# Altium PCB PCBV2.PcbDoc (part 1 of 2) (continued)
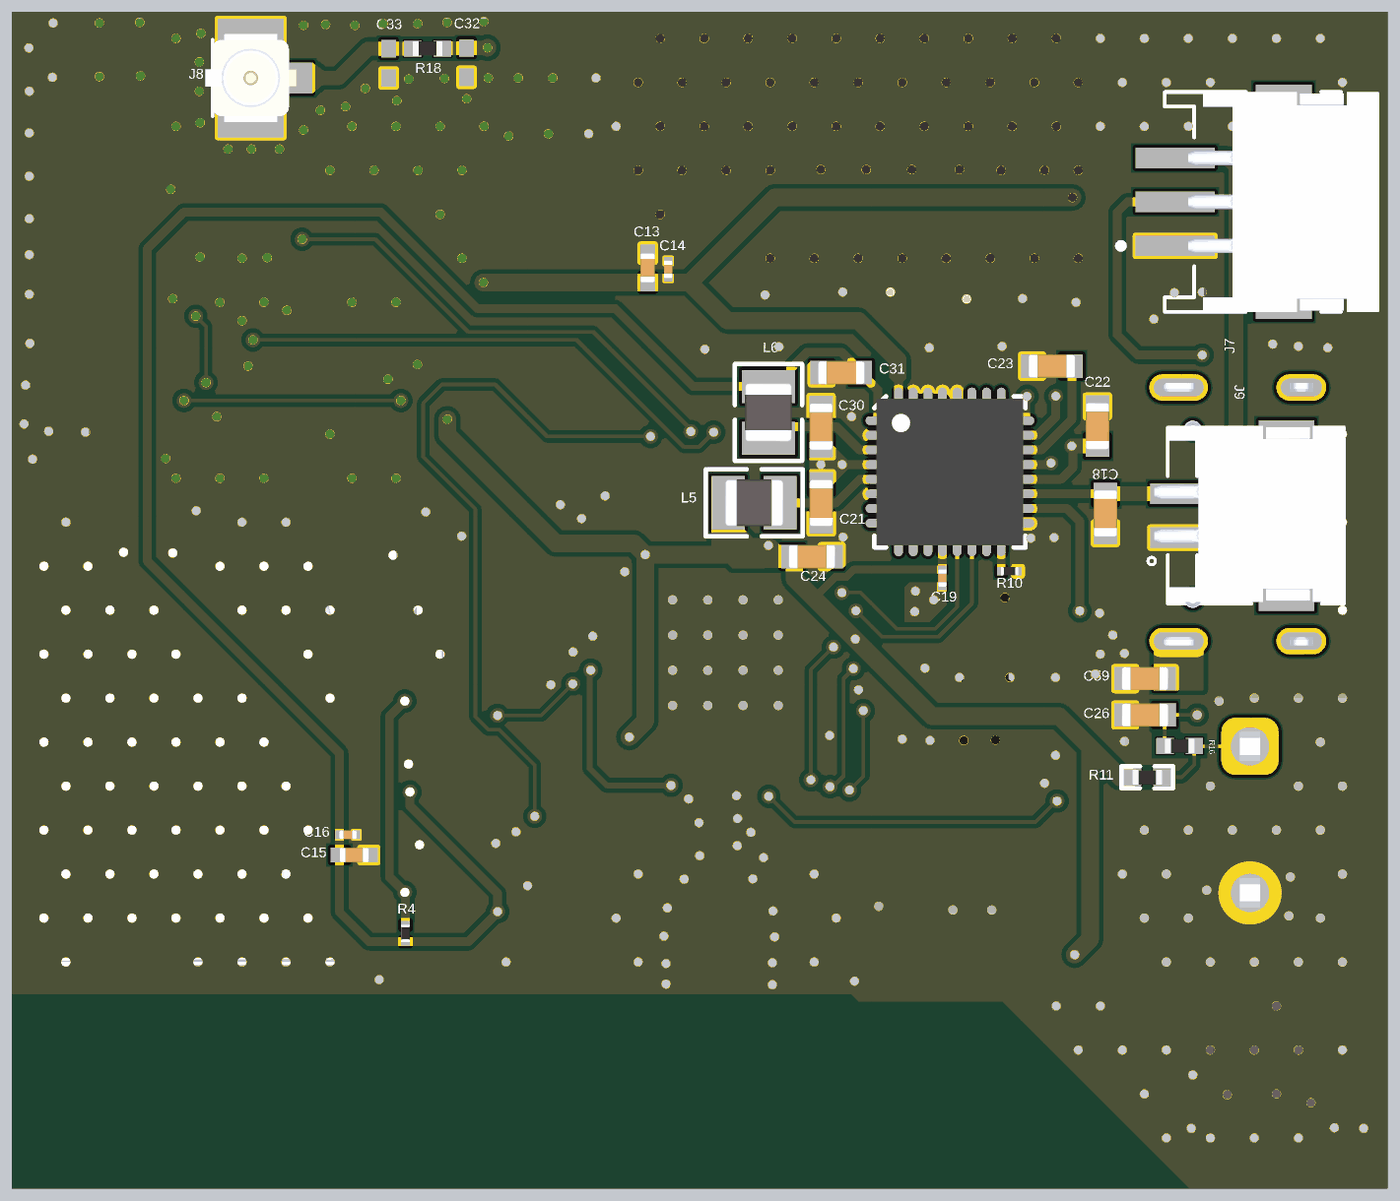
[diagram p6: 3D render of the assembled board from below, using the file's embedded part models]

## Layer stack, top to bottom
Top Solder: solder mask 0.0102, Solder Resist, Dk 3.5
Top Layer: signal copper 0.048
Dielectric 2: prepreg 0.1, PP-021, Dk 4.7
GND: signal copper 0.03
Dielectric 1: core 1.2, Core-042, Dk 4.6
GND_2: signal copper 0.03
Dielectric 3: prepreg 0.1, PP-021, Dk 4.7
Bottom Layer: signal copper 0.048
Bottom Solder: solder mask 0.0102, Solder Resist, Dk 3.5

## Board outline
25.4,64.002 72.3,64.002 72.3,104.125 25.4,104.125

## Design rules (kind name [scope] priority, off if disabled: settings)
Clearance SW2 [InNet('SW2')] p1: gap=0.14 ignorepadtopadclearanceinfootprint=FALSE
Clearance ANT_LoRA [InNet('NetMD1_9') or InNet('NetJ8_1')] p2: gap=0.13 ignorepadtopadclearanceinfootprint=FALSE
Clearance ANT_Clearance [InNet('ANT') or InNet('RF') or InNet('NetC9_2') or InNet('NetC6_2')] p3: gap=0.16 ignorepadtopadclearanceinfootprint=FALSE
Clearance Polygon_Clearence [(InNamedPolygon('Layer1-GND'))or (InNamedPolygon('Layer2-GND'))or   (InNamedPolygon('Layer3-GND'))or   (InNamedPolygon('Layer4-GND'))] p4: gap=0.15 ignorepadtopadclearanceinfootprint=FALSE
Clearance [All] p5: gap=0.15 ignorepadtopadclearanceinfootprint=FALSE
ComponentClearance [All] p1: gap=0.15 collisioncheckmode=3 verticalgap=0.15 showdistances=FALSE
HoleSize [All] p1: absolutevalues=TRUE maxlimit=5 minlimit=0.2 maxpercent=80.000 minpercent=20.000
HoleToHoleClearance [IsThruVia] p1: gap=0.35 allowstackedmicrovias=TRUE
MinimumSolderMaskSliver MinimumSolderMaskSliver_J4 [InComponent('J4') or InComponent('J2')] p1: minsoldermaskwidth=0
MinimumSolderMaskSliver [All] p2: minsoldermaskwidth=0.07
NetAntennae [All] p1: netantennaetolerance=0.3
PolygonConnect PolygonConnect_1 [InNet('GND')] p1: connectstyle=Direct reliefconductorwidth=0.254 reliefentries=4 polygonreliefangle="90 Angle" airgapwidth=0.254
PolygonConnect VSYS_Polygon [InNet('VBUS')] p2: connectstyle=Direct reliefconductorwidth=0.254 reliefentries=4 polygonreliefangle="90 Angle" airgapwidth=0.254
PolygonConnect [All] p3: connectstyle=Relief reliefconductorwidth=0.254 reliefentries=4 polygonreliefangle="90 Angle" airgapwidth=0.254
RoutingVias [All] p1: holewidth=0.25 width=0.5 viastyle="Through Hole" minholewidth=0.2 minwidth=0.25 maxholewidth=0.3 maxwidth=0.75
SilkToSilkClearance [All] p1: silktosilkclearance=0.135
SilkToSolderMaskClearance [IsPad] p1 off: minsilkscreentomaskgap=0.254 clearancetoexposedcopper=TRUE
SolderMaskExpansion [All] p1: expansion=0.102 istentingtop=FALSE
SupplyNets "Schematic Supply Nets_6" [InNet('VSYS')] p1: voltage=0.000
SupplyNets "Schematic Supply Nets_5" [InNet('VBAT')] p2: voltage=0.000
SupplyNets "Schematic Supply Nets_4" [InNet('VDD:SD')] p3: voltage=0.000
SupplyNets "Schematic Supply Nets_3" [InNet('GND')] p4: voltage=0.000
SupplyNets "Schematic Supply Nets_2" [InNet('VBUS')] p5: voltage=0.000
SupplyNets "Schematic Supply Nets_1" [InNet('VBUSOUT')] p6: voltage=0.000
SupplyNets "Schematic Supply Nets" [InNet('VDD:nRF')] p7: voltage=0.000
Width Width_ANT [InNet('NetC32_2') or InNet('NetC33_2')] p1: maxlimit=0.481 minlimit=0.082 preferedwidth=0.481 toplayer_minwidth=0.481 bottomlayer_minwidth=0.481 impedanceprofiledriven=TRUE impedanceprofileid={5107B8CF-0C0A-40AA-954E-6AD38525F156} impedanceprofilevalue=50.000000 minimp=50.000000 maximp=50.000000 favimp=50.000000
Width ANTena [InNet('ANT')] p2: maxlimit=1.3 minlimit=0.254 preferedwidth=1.27
Width Power_Supply [InNetClass('Power')] p3: maxlimit=0.8 minlimit=0.2 preferedwidth=0.2
Width [All] p4: maxlimit=2.5 minlimit=0.125 preferedwidth=0.2 minimp=50.000000 maximp=50.000000 favimp=50.000000
23 further rules are at their usual default settings.

## Classes and differential pairs
net class BUTTONS: DIO0_LoRa nRF54_RESET P0.00 P0.01 P0.02 P0.03 P0.04 P1.04 P1.05 P1.06 P1.07 P1.08 P1.09 P1.10 P1.11 P1.13 P1.14 P2.07 SWDCLK SWDIO
component class PMIC: C17 C18 C19 C21 C22 C23 C24 C30 C31 L5 L6 R10 U2
component class nRF54L15: C1 C2 C3 C4 C5 C6 C7 C8 C9 C11 C12 C38 C60 C61 FB1 J1 L1 L2 L3 L4 R3 U1 X1 X2
component class Misc: C15 C16 C26 C28 C29 C59 J2 J4 J5 J7 J9 JP1 P1 P2 P3 R4 R5 R6 R7 R11 R12 R13 R16 R17 SW1 SW2
component class Communications: C13 C14 C32 C33 J8 MD1 R18

## Components (designator, comment, footprint, x,y, rotation, side; value= is the part's Value field where it differs from the comment)
C1 "2.2µF" CAPC0603X03L_C 51.875,83.15 r90 top
C2 "2.2µF" CAPC0603X03L_C 53.986,81.724 r180 top
C3 "10µF" CAPC1005X04L 52.05,86.25 r270 top
C4 "100nF" CAPC0603X03L_C 50.98,78.663 r0 top
C5 "2.2nF" CAPC0603X03L_C 49.223,78.058 r90 top
C6 "1.5pF" CAPC0603X03L_C 48.707,78.053 r270 top
C7 "100nF" CAPC0603X03L_C 46.277,86.362 r180 top
C8 "100nF" CAPC0603X03L_C 43.971,80.97 r270 top
C9 "2.0pF" CAPC0603X03L_C 47.887,76.134 r0 top
C11 "100nF" CAPC0603X03L_C 51.906,84.755 r90 top
C12 "10nF" CAPC0603X03L_C 52.325,82.3 r180 top
C13 "10µF" CAPC1005X04L 50.625,95.4 r270 bottom
C14 "100nF" CAPC0603X03L_C 49.925,95.35 r90 bottom
C15 "10µF" CAPC1005X04L 60.625,75.375 r0 bottom
C16 "100nF" CAPC0603X03L_C 60.84,76.068 r180 bottom
C17 "2.2µF" CAPC1005X04L 34.516,84.096 r90 top
C18 "4.7µF" CAPC1608X06L 35.025,87.025 r90 bottom
C19 "100nF" CAPC0603X03L_C 40.575,84.82 r270 bottom
C21 "10µF" CAPC1608X06L 44.709,87.383 r90 bottom
C22 "10µF" CAPC1608X06L 35.3,90 r270 bottom
C23 "1.0µF" CAPC1608X06L 36.85,92.05 r180 bottom
C24 "10µF" CAPC1608X06L 45.025,85.55 r0 bottom
C26 "68nF" CAPC1608X06L 33.675,80.15 r180 bottom value=10µF
C28 "100nF" CAPC1608X06L 33.9,97.475 r270 top value=10µF
C29 "100nF" CAPC1608X06L 54.05,73.5 r180 top value=10µF
C30 "10µF" CAPC1608X06L 44.715,89.982 r270 bottom
C31 "10µF" CAPC1608X06L 44.025,91.825 r180 bottom
C32 "DNM" CAPC1005X04L_DNM 56.8,102.4 r90 bottom value=2.2µF
C33 "DNM" CAPC1005X04L_DNM 59.45,102.375 r90 bottom value=2.2µF
C38 "1.4pF" CAPC0603X03L_C 47.486,70.776 r0 top
C59 "10nF" CAPC1608X06L 33.676,81.391 r0 bottom
C60 "3.9pF" CAPC0603X03L_C 47.595,78.106 r90 top
C61 "0.3pF" CAPC0603X03L_C 48.455,74.525 r180 top
FB1 "120R/0.2A" INDC0603X03L_C 53.987,82.256 r180 top
J1 "MM8130-2600" COAXIAL-SWF 48.169,72.632 r0 top locked
J2 "MSD-4-A" CUI_MSD-4-A 64.825,79 r90 top locked
J4 "USB-C 2.0" SD-80259-001 30.734,86.995 r270 top locked
J5 "691131710002" 691131710002 30.099,76.581 r270 top locked
J7 "S3B-ZR-SM4A-TF" JST_S3B-ZR-SM4A-TF 28.95,97.65 r90 bottom locked
J8 "U.FL-R-SMT(01)" HRS_U.FL-R-SMT(01) 64.15,101.875 r90 bottom
J9 "S2B-ZR-SM4A-TF" JST_S2B-ZR-SM4A-TF 32.35,86.95 r270 bottom
JP1 "Shunt 2.54mm" Shunt_2.54mm_Vertical 39.1,84.125 r90 top
L1 "4.7µH" INDC1608X06L 53.775,84.11 r270 top
L2 "2.7nH" INDC0603X03L_C 48.171,78.053 r270 top
L3 "3.5nH" INDC0603X03L_C 48.171,76.937 r270 top
L4 "3.5nH" INDC0603X03L_C 48.172,75.329 r270 top
L5 "2.2µH" INDC2016X10N 46.993,87.385 r180 bottom
L6 "2.2µH" INDC2016X10N 46.509,90.469 r270 bottom
LOGO1 "Nordic Logo" LCLP_LOGO 54.45,65.475 r0 top
MD1 "RFM95W-868S2" FP-RFM95W-868S2-MFG 61.65,95.9 r180 top locked
P1 "Pin Header 2x5, 1.27mm" HDR_2x5-SMD-1.27mm-K 40.175,73.875 r0 top locked
P2 "Pin List 1x3" LIST_1x3_SMD 39.09,80.21 r90 top
P3 "Socket Ang 1x6 SMD" SOCKET_1x6_SMD-ANG 37.255,92.65 r0 top locked value="Socket 1x6, Angled"
R3 "0" RESC0603X03L_C 47.049,77.604 r270 top value=1k
R4 "10k" RESC0603X03L_C 58.875,72.7 r90 bottom
R5 "10k" RESC0603X03L_C 55.712,74.359 r90 top
R6 "10k" RESC0603X03L_C 55.711,78.762 r90 top
R7 "10k" RESC0603X03L_C 55.712,77.148 r270 top
R10 "470k" RESC0603X03L_C 38.292,85.053 r180 bottom value=150k
R11 "180k" RESC1005X04L 33.6,78.025 r0 bottom value=DNM
R12 "1M" RESC1005X04L 54.475,78.1 r90 top value=10k
R13 "DNM" RESC1005X04L_NC 35.1,97.3 r90 top
R16 "180k" RESC1005X04L 32.495,79.094 r180 bottom value=1k
R17 "0" RESC1005X04L 53.875,72.5 r0 top value=1k
R18 "0" RESC1005X04L 58.125,102.875 r180 bottom value=1k
SW1 "PTS647SM38SMTR2LFS" FP-PTS647SM38SMTR2LFS-MFG 29.425,68.55 r180 top locked
SW2 "PTS647SM38SMTR2LFS" FP-PTS647SM38SMTR2LFS-MFG 29.425,95.225 r180 top
U1 "nRF54L15-QFAA" QFN40P600X600X90-48N 47.975,82.275 r270 top locked
U2 "nPM1300-QEAA" Nordic_QFN50P500X500X90-33N 40.326,88.441 r180 bottom locked
X1 "32.768kHz" XTAL_2012 50.3,87.425 r0 top
X2 "32MHz" BT-XTAL_2016 51.725,76.975 r0 top

## Footprints (in the part's own frame and the unit in brackets; to place one, negate y for a bottom-side part, rotate by r counter-clockwise, add the part's x,y. Pads: shape width x height; smd on the part's side, far side on the other; paste and mask are expansions set on the pad)
691131710002 [mm] "SERIE 1317 - 5.00 MM - HORIZONTAL CABLE ENTRY WITH PRESSURE CLAMP - WR-TBL"
  rrect50% 1.95x1.95 hole 1.3: 1(-2.5,0)
  round 1.95 hole 1.3: 2(2.5,0)
  silkscreen extent -5,-4.25 5,4.25, body extent -5,-4.25 5,4.25, height 15.5
BT-XTAL_2016 [mm] "Crystal 2.0 x 1.6 mm"
  rect 0.95x0.85 smd: 1(-0.725,-0.575) 2(0.725,-0.575) 3(0.725,0.575) 4(-0.725,0.575)
  silkscreen extent -0.1,-0.88 0.1,0.88, body extent -1.05,-0.85 1.05,0.85, height 0.56
CAPC0603X03L_C [mm] "Chip Capacitor, 2-Leads, Body 0.6x0.3mm, IPC High Density"
  rect 0.27x0.3 smd mask+0.05: 1(-0.285,0) 2(0.285,0)
  body extent -0.3,-0.15 0.3,0.15, height 0.3
CAPC1005X04L [mm] "Chip Capacitor, 2-Leads, Body 1.0x0.5mm, IPC High Density"
  rect 0.6x0.5 smd: 1(-0.5,0) 2(0.5,0)
  body extent -0.5,-0.25 0.5,0.25, height 0.5
CAPC1005X04L_DNM [mm] "Chip Capacitor, 2-Leads, Body 1.0x0.5mm, IPC High Density DNM"
  rect 0.6x0.5 smd: 1(-0.5,0) 2(0.5,0)
CAPC1608X06L [mm] "Chip Capacitor, 2-Leads, Body 1.6x0.8mm, IPC High Density"
  rect 0.75x0.8 smd: 1(-0.675,0) 2(0.675,0)
  silkscreen extent -0.1,-0.3 0.1,0.3, body extent -0.8,-0.4 0.8,0.4, height 0.8
COAXIAL-SWF [mm]
  rect 0.5x0.58 smd: 1(0,1.16) 3(0,-1.16)
  rect 0.75x0.8 smd: 2(-1.025,-0.95) 2(-1.025,0.95) 2(1.025,-0.95) 2(1.025,0.95)
  Top Layer pour cut-out: 0.65,-0.55 -0.65,-0.55 -0.65,-1.35 0.65,-1.35
  Top Layer pour cut-out: -0.65,0.55 0.65,0.55 0.65,1.35 -0.65,1.35
  silkscreen extent -1.25,-1.25 1.25,1.23, body extent -1.26,-1.3 1.26,1.3, height 1.55
CUI_MSD-4-A [mm]
  rect 0.7x1.6 smd: 1(2.25,7.75) 2(1.15,7.75) 3(0.05,7.75) 4(-1.05,7.75) 5(-2.15,7.75) 6(-3.25,7.75) 7(-4.35,7.75) 8(-5.45,7.75) CD(-6.55,7.75)
  rect 1.2x1.8 smd: G1(-7.75,6.45)
  rect 1.6x1.5 smd: G2(6.85,6.7)
  rect 1.2x2.2 smd: G3(-7.75,-2.85) G4(7.75,-2.85)
  silkscreen extent -7.37,-7.25 7.37,9.2, body extent -8.07,-7.37 8.07,7.68, height 1.8
FP-PTS647SM38SMTR2LFS-MFG [mm]
  rect 1.55x1 smd paste+0 mask+0: 1(-2.625,1.6) 2(2.625,1.6) 3(-2.625,-1.6) 4(2.625,-1.6)
  silkscreen extent -4.08,-2.25 2.25,2.25, body extent -3.5,-2.42 3.5,2.42, height 0.25
FP-RFM95W-868S2-MFG [mm]
  rect 3.5x1 smd paste+0 mask+0: 1(-7.75,7) 2(-7.75,5) 3(-7.75,3) 4(-7.75,1) 5(-7.75,-1) 6(-7.75,-3) 7(-7.75,-5) 8(-7.75,-7) 9(7.75,-7) 10(7.75,-5) 11(7.75,-3) 12(7.75,-1) 13(7.75,1) 14(7.75,3) 15(7.75,5) 16(7.75,7)
  silkscreen extent -10.23,-8 8,8, body extent -9.6,-8.1 9.6,8.1, height 0.25
HDR_2x5-SMD-1.27mm-K [mm] "SMT MICRO HEADER, (1,27) .050\" Keying Shroud"
  rect 0.76x2.4 smd: 1(-2.54,-1.95) 2(-2.54,1.95) 3(-1.27,-1.95) 4(-1.27,1.95) 5(0,-1.95) 6(0,1.95) 7(1.27,-1.95) 8(1.27,1.95) 9(2.54,-1.95) 10(2.54,1.95)
  silkscreen extent -3.56,-2.38 3.25,1.75, body extent -3.14,-2.92 3.14,2.92, height 6.11
HRS_U.FL-R-SMT(01) [mm]
  rect 1.1x2.25 smd: 1(-1.475,0) 2(1.475,0)
  rect 1.05x1.1 smd: 3(0,-1.55)
  Keep-Out Layer region: 0.9,-0.963 -0.903,-0.963 -0.903,1.15 0.9,1.15
  silkscreen extent -1.3,1.3 1.3,1.3, body extent -1.5,-1.55 1.5,1.55, height 1.25
INDC0603X03L_C [mm] "Chip Inductor, 2-Leads, Body 0.6x0.3mm, IPC High Density"
  rect 0.27x0.3 smd: 1(-0.285,0) 2(0.285,0)
  body extent -0.3,-0.15 0.3,0.15, height 0.3
INDC1608X06L [mm] "Chip Inductor, 2-Leads, Body 1.6x0.8mm, IPC High Density"
  rect 0.75x0.8 smd: 1(-0.675,0) 2(0.675,0)
  silkscreen extent -0.1,-0.3 0.1,0.3, body extent -0.8,-0.4 0.8,0.4, height 0.8
INDC2016X10N [mm] "Chip Inductor, 2-Leads, Body 2.00x1.60mm, IPC Medium Density"
  rect 1.13x1.82 smd: 1(-0.885,0) 2(0.885,0)
  silkscreen extent -1.65,-1.14 1.65,1.14, body extent -1,-0.8 1,0.8, height 1
JST_S2B-ZR-SM4A-TF [mm]
  rect 0.7x2.3 smd: 1(0.75,0) 2(-0.75,0)
  rect 1.1x1.9 smd: P1(2.7,3.5) P2(-2.7,3.5)
  silkscreen extent -3,-1.23 3,5.45, body extent -3.06,-1.01 2.94,5.49, height 3.7
JST_S3B-ZR-SM4A-TF [mm]
  rect 0.7x2.7 smd: 1(-1.5,3.7) 2(0,3.7) 3(1.5,3.7)
  rect 1.1x1.9 smd: SH1(-3.45,0) SH2(3.45,0)
  silkscreen extent -3.75,-1.95 3.75,5.65, body extent -3.75,-3.25 3.75,3.25, height 3.7
LCLP_LOGO [mm]
  silkscreen extent 3.17,0.66 6.88,4.15
LIST_1x3_SMD [mm]
  rect 1.02x2.19 smd: 1(0,1.465) 1(0,-1.465) 2(2.54,-1.465) 2(2.54,1.465) 3(5.08,-1.465) 3(5.08,1.465)
  silkscreen extent -1.27,-1.27 6.35,1.27, body extent -1.27,-2.5 6.35,2.5, height 9.82
Nordic_QFN50P500X500X90-33N [mm] "QFN32 5x5x0.85mm, 0.5mm pitch - Medium Density"
  oval 0.85x0.3 smd: 1(-2.45,1.75) 2(-2.45,1.25) 3(-2.45,0.75) 4(-2.45,0.25) 5(-2.45,-0.25) 6(-2.45,-0.75) 7(-2.45,-1.25) 8(-2.45,-1.75) 17(2.45,-1.75) 18(2.45,-1.25) 19(2.45,-0.75) 20(2.45,-0.25) 21(2.45,0.25) 22(2.45,0.75) 23(2.45,1.25) 24(2.45,1.75)
  oval 0.3x0.85 smd: 9(-1.75,-2.45) 10(-1.25,-2.45) 11(-0.75,-2.45) 12(-0.25,-2.45) 13(0.25,-2.45) 14(0.75,-2.45) 15(1.25,-2.45) 16(1.75,-2.45) 25(1.75,2.45) 26(1.25,2.45) 27(0.75,2.45) 28(0.25,2.45) 29(-0.25,2.45) 30(-0.75,2.45) 31(-1.25,2.45) 32(-1.75,2.45)
  rect 3.5x3.5 smd: 33(0,0)
  silkscreen extent -2.57,-2.57 2.57,2.57, body extent -2.5,-2.5 2.5,2.5, height 0.9
QFN40P600X600X90-48N [mm] "QFN, 48-Leads, Body 6,0x6,0mm (max), Pitch 0,40mm, IPC Medium Density"
  oval 0.65x0.2 smd mask+0.05: 1(-3.025,2.2) 2(-3.025,1.8) 3(-3.025,1.4) 4(-3.025,1) 5(-3.025,0.6) 6(-3.025,0.2) 7(-3.025,-0.2) 8(-3.025,-0.6) 9(-3.025,-1) 10(-3.025,-1.4) 11(-3.025,-1.8) 12(-3.025,-2.2) 25(3.025,-2.2) 26(3.025,-1.8) 27(3.025,-1.4) 28(3.025,-1) 29(3.025,-0.6) 30(3.025,-0.2) 31(3.025,0.2) 32(3.025,0.6) 33(3.025,1) 34(3.025,1.4) 35(3.025,1.8) 36(3.025,2.2)
  oval 0.2x0.65 smd mask+0.05: 13(-2.2,-3.025) 14(-1.8,-3.025) 15(-1.4,-3.025) 16(-1,-3.025) 17(-0.6,-3.025) 18(-0.2,-3.025) 19(0.2,-3.025) 20(0.6,-3.025) 21(1,-3.025) 22(1.4,-3.025) 23(1.8,-3.025) 24(2.2,-3.025) 37(2.2,3.025) 38(1.8,3.025) 39(1.4,3.025) 40(1,3.025) 41(0.6,3.025) 42(0.2,3.025) 43(-0.2,3.025) 44(-0.6,3.025) 45(-1,3.025) 46(-1.4,3.025) 47(-1.8,3.025) 48(-2.2,3.025)
  rect 4.7x4.7 smd: 49(0,0)
  silkscreen extent -4.02,-3 3,3, body extent -3.02,-3.02 3.02,3.02, height 0.86
RESC0603X03L_C [mm] "Chip Resistor, 2-Leads, Body 0.6x0.3mm, IPC High Density"
  rect 0.27x0.3 smd: 1(-0.285,0) 2(0.285,0)
  body extent -0.3,-0.15 0.3,0.15, height 0.23
RESC1005X04L [mm]
  rect 0.6x0.55 smd mask+0.05: 1(-0.5,0) 2(0.5,0)
  silkscreen extent -0.87,-0.38 0.88,0.38, body extent -0.5,-0.25 0.5,0.25, height 0.3
RESC1005X04L_NC [mm]
  rect 0.6x0.55 smd mask+0.05: 1(-0.5,0) 2(0.5,0)
  silkscreen extent -0.87,-0.38 0.88,0.38
SD-80259-001 [mm] "USB TYPE C RECEPTACLE, 16 PIN"
  round 0.6 hole 0.6 unplated: 0(-2.89,1.315) 0(2.89,1.315)
  rect 0.6x1.14 smd: A1(-3.2,2.385) A4(-2.4,2.385) A9(2.4,2.385) A12(3.2,2.385)
  rect 0.3x1.14 smd: A5(-1.25,2.385) A6(-0.25,2.385) A7(0.25,2.385) A8(1.25,2.385) B5(1.75,2.385) B6(0.75,2.385) B7(-0.75,2.385) B8(-1.75,2.385)
  oval 0.9x2 hole 0.6 slot 1.7 at 90 deg: SHLD(-4.325,1.795) SHLD(4.325,1.795)
  oval 0.9x1.7 hole 0.6 slot 1.4 at 90 deg: SHLD(-4.325,-2.385) SHLD(4.325,-2.385)
  oval 0.9x2 on Top Paste: ""(-4.32,1.795) ""(4.32,1.795)
  oval 0.9x1.7 on Top Paste: ""(-4.32,-2.385) ""(4.32,-2.385)
  silkscreen extent -4.33,-4.48 4.33,0.47, body extent -4.48,-4.98 4.48,2.74, height 3.26
Shunt_2.54mm_Vertical [mm]
  body extent -2.51,-1.24 2.51,1.24, height 9.85
SOCKET_1x6_SMD-ANG [mm]
  rect 1.42x2.34 smd: 1(0,0) 2(2.54,0) 3(5.08,0) 4(7.62,0) 5(10.16,0) 6(12.7,0)
  silkscreen extent -1.42,-0.08 -1.17,0.18, body extent -1.52,-0.65 14.22,11.3, height 2.52
XTAL_2012 [mm] "XTAL SMD 2.0 x 1.2 mm"
  rect 0.75x1.4 smd: 1(-0.725,0) 2(0.725,0)
  silkscreen extent -0.17,-0.6 0.17,0.6, body extent -1,-0.61 1,0.61, height 0.6

## Part data
C1 C2: library part C0201-2µ2-2.5V-X6T-GRM033D80E225ME47D, "Capacitor, Ceramic, 2.2µF 2.5V X6T 0201,±20%", Manufacturer=Murata, Manufacturer Part Number=GRM033R61A225KE47, Part number IPS=N.A., Part number NEMS=100200527, Supplier Part Number 1=81-GRM033D80E225ME7D, Artikkelnr Noca=N.A., Author=stl1, Component Class=Capacitors, Component Status=Active, ComponentLink1Description=Datasheet, ComponentLink1URL=https://www.murata.com/products/productdetail?partno=GRM033D80E225ME47%23, ComponentLink2Description="Supplier link", ComponentLink2URL=N.A., Footprint Doc=0201, HelpURL=N.A., LatestRevisionDate=2022-02-27, Note="2.5V, 20%, X6T", Pad Count=2, Part Number=C0201-2µ2-2.5V-X6T-GRM033D80E225ME47D, Part number Norautron=N.A., PartId=100200527, Published=2022-02-27, Supplier 1=Mouser, Supplier 2=Digi-Key, Supplier Part Number 2=490-18653-1-ND
C3 C13 C15: library part C0402-10µF-6.3V-X6S, "Capacitor, X6S, ±20%, 6.3V", Manufacturer=N.A., Part number NEMS=100200478, Artikkelnr Noca=N.A., Author=getr, Component Class=Capacitors, Component Status=Active, ComponentLink1Description=Datasheet, ComponentLink1URL=N.A., ComponentLink2Description="Supplier link", ComponentLink2URL=N.A., Footprint Doc=0402, HelpURL=N.A., LatestRevisionDate=2021-06-25, Manufacturer Part Number=N.A., Note=6.3V, Pad Count=2, Part Number=C0402-10µF-6.3V-X6S, Part number IPS=N.A., Part number Norautron=N.A., PartId=100200478, Published=2021-06-25, Supplier 1=N.A., Supplier 2=N.A., Supplier Part Number 1=N.A., Supplier Part Number 2=N.A.
C4 C7 C8 C11 C14 C16: library part C0201-100n-10V-X7R, "Capacitor, X7R, ±10%", Manufacturer=N.A., Part number NEMS=100200469, Artikkelnr Noca=N.A., Author=getr, Component Class=Capacitors, Component Status=Active, ComponentLink1Description=Datasheet, ComponentLink1URL=N.A., ComponentLink2Description="Supplier link", ComponentLink2URL=N.A., Footprint Doc=0201, HelpURL=N.A., LatestRevisionDate=2021-04-12, Manufacturer Part Number=N.A., Note=10V, Pad Count=2, Part Number=C0201-100n-10V-X7R, Part number IPS=N.A., Part number Norautron=N.A., PartId=100200469, Published=2021-04-12, Supplier 1=N.A., Supplier 2=N.A., Supplier Part Number 1=N.A., Supplier Part Number 2=N.A.
C5: library part C0201-2n2, "Capacitor, X7R, ±10%, 10V", Manufacturer=N.A., Part number IPS=00000001778, Part number NEMS=100200060, Part number Norautron=26470002, Artikkelnr Noca=N.A., Author=rsk, Component Class=Capacitors, Component Status=Active, ComponentLink1Description=Datasheet, ComponentLink1URL=N.A., ComponentLink2Description="Supplier link", ComponentLink2URL=N.A., Footprint Doc=0201, HelpURL=N.A., LatestRevisionDate=2014-11-13, Manufacturer Part Number=N.A., Note=10V, Pad Count=2, Part Number=C0201-2n2, PartId=100200060, Published=2014-11-13, Supplier 1=N.A., Supplier 2=N.A., Supplier Part Number 1=N.A., Supplier Part Number 2=N.A.
C6: library part C0201-1.5p-25V-NP0-GJM0335C1E1R5WB01, "Capacitor, NP0, ±0.05pF, 25V, High Q", Manufacturer=Murata, Manufacturer Part Number=GJM0335C1E1R5WB01, Part number IPS=N.A., Part number NEMS=100200477, Supplier Part Number 1=490-11176-2-ND, Artikkelnr Noca=N.A., Author=masi, Component Class=Capacitors, Component Status=Active, ComponentLink1Description=Datasheet, ComponentLink1URL=https://search.murata.co.jp/Ceramy/image/img/A01X/G101/ENG/GJM0335C1E1R5WB01-01.pdf, ComponentLink2Description="Supplier link", ComponentLink2URL=N.A., Footprint Doc=0201, HelpURL=https://www.murata.com/products/productdetail?partno=GJM0335C1E1R5WB01%23, LatestRevisionDate=2021-06-15, Note=25V, Pad Count=2, Part Number=C0201-1.5p-25V-NP0-GJM0335C1E1R5WB01, Part number Norautron=N.A., PartId=100200477, Published=2021-06-15, Supplier 1=Digi-Key, Supplier 2=Mouser, Supplier Part Number 2=81-GJM0335C1E1R5WB1D
C9: library part C0201-2.0p-HQ-Murata, "Capacitor, NP0, ±0.05pF, 25V", Manufacturer=Murata, Manufacturer Part Number=GJM0335C1E2R0WB01, Part number IPS=00000001775, Part number NEMS=100200419, Part number Norautron=N.A., Artikkelnr Noca=N.A., Author=rsk, Component Class=Capacitors, Component Status=Active, ComponentLink1Description=Datasheet, ComponentLink1URL=N.A., ComponentLink2Description="Supplier link", ComponentLink2URL=N.A., Footprint Doc=0201, HelpURL=https://psearch.en.murata.com/capacitor/product/GJM0335C1E2R0WB01%23.html, LatestRevisionDate=2018-10-25, Note=25V, Pad Count=2, Part Number=C0201-2.0p-HQ-Murata, PartId=100200419, Published=2018-10-25, Supplier 1=N.A., Supplier 2=N.A., Supplier Part Number 1=N.A., Supplier Part Number 2=N.A.
C12: library part C0201-10n-6.3V-X7R, "Capacitor, X7R, 6.3V", Manufacturer=Murata, Manufacturer Part Number=GRM033R70J103KA01D, Part number IPS=N.A., Part number NEMS=100200407, Supplier Part Number 1=490-1262-1-ND, Artikkelnr Noca=N.A., Author=rsk, Component Class=Capacitors, Component Status=Active, ComponentLink1Description=Datasheet, ComponentLink1URL=http://search.murata.co.jp/Ceramy/image/img/A01X/G101/ENG/GRM033R70J103KA01-01.pdf, ComponentLink2Description="Supplier link", ComponentLink2URL=N.A., Footprint Doc=0201, HelpURL=N.A., LatestRevisionDate=2020-10-13, Note=6.3V, Pad Count=2, Part Number=C0201-10n-6.3V-X7R, Part number Norautron=N.A., PartId=100200407, Published=2018-05-07, Supplier 1=Digi-Key, Supplier 2=N.A., Supplier Part Number 2=N.A.
C17 C32 C33: library part C0402-2µ2-10V, "Capacitor, X5R, ±10%", Manufacturer=N.A., Part number NEMS=100200376, Supplier Part Number 1=490-10451-1-ND, Artikkelnr Noca=N.A., Author=rsk, Component Class=Capacitors, Component Status=Active, ComponentLink1Description=Datasheet, ComponentLink1URL=N.A., ComponentLink2Description="Supplier link", ComponentLink2URL=N.A., Footprint Doc=0402, HelpURL=N.A., LatestRevisionDate=2020-10-13, Manufacturer Part Number=N.A., Note=10V, Pad Count=2, Part Number=C0402-2µ2-10V, Part number IPS=N.A., Part number Norautron=N.A., PartId=100200376, Published=2016-08-22, Supplier 1=Digi-Key, Supplier 2=N.A., Supplier Part Number 2=N.A.
C18: library part C0603-4µ7-10V-X5R, "Capacitor, Ceramic, X5R, ±10%, 10V", Manufacturer=N.A., Part number NEMS=100200479, Part number Norautron=262081761, Artikkelnr Noca=N.A., Author=rubr, Component Class=Capacitors, Component Status=Active, ComponentLink1Description=Datasheet, ComponentLink1URL=N.A., ComponentLink2Description="Supplier link", ComponentLink2URL=N.A., Footprint Doc=0603, HelpURL=N.A., LatestRevisionDate=2021-07-22, Manufacturer Part Number=N.A., Note=10V, Pad Count=2, Part Number=C0603-4µ7-10V-X5R, Part number IPS=N.A., PartId=100200479, Published=2021-07-22, Supplier 1=N.A., Supplier 2=N.A., Supplier Part Number 1=N.A., Supplier Part Number 2=N.A.
C19: library part C0201-100n, "Capacitor, X5R, ±10%, 100nF, 16V", Manufacturer=N.A., Part number IPS="00000001248, 00000002505", Part number NEMS=100200078, Part number Norautron=262071862, Artikkelnr Noca=N.A., Author=rsk, Component Class=Capacitors, Component Status=Active, ComponentLink1Description=Datasheet, ComponentLink1URL=N.A., ComponentLink2Description="Supplier link", ComponentLink2URL=N.A., Footprint Doc=0201, HelpURL=N.A., LatestRevisionDate=2024-06-27, Manufacturer Part Number=N.A., Note=16V, Pad Count=2, Part Number=C0201-100n, PartId=100200078, Published=2014-11-13, Supplier 1=N.A., Supplier 2=N.A., Supplier Part Number 1=N.A., Supplier Part Number 2=N.A.
C21 C22 C24 C26 C28 C29: library part C0603-10µ, "Capacitor, X5R, ±20%", Manufacturer=N.A., Part number IPS=00000007785, Part number NEMS=100200275, Artikkelnr Noca=20039234, Author=rsk, Component Class=Capacitors, Component Status=Active, ComponentLink1Description=Datasheet, ComponentLink1URL=N.A., ComponentLink2Description="Supplier link", ComponentLink2URL=N.A., Footprint Doc=0603, HelpURL=N.A., LatestRevisionDate=2011-01-17, Manufacturer Part Number=N.A., Note=6.3V, Pad Count=2, Part Number=C0603-10µ, Part number Norautron=N.A., PartId=100200275, Published=2011-01-17, Supplier 1=N.A., Supplier 2=N.A., Supplier Part Number 1=N.A., Supplier Part Number 2=N.A.
C23: library part C0603-1µ0-10V-X5R, "Capacitor, Ceramic, 1.0µF 10V X5R 0603,±10%", Manufacturer=N.A., Part number NEMS=100200528, Artikkelnr Noca=N.A., Author=getr, Component Class=Capacitors, Component Status=Active, ComponentLink1Description=Datasheet, ComponentLink1URL=N.A., ComponentLink2Description="Supplier link", ComponentLink2URL=N.A., Footprint Doc=0603, HelpURL=N.A., LatestRevisionDate=2022-10-06, Manufacturer Part Number=N.A., Note=10V, Pad Count=2, Part Number=C0603-1µ0-10V-X5R, Part number IPS=N.A., Part number Norautron=N.A., PartId=100200528, Published=2022-10-06, Supplier 1=N.A., Supplier 2=N.A., Supplier Part Number 1=N.A., Supplier Part Number 2=N.A.
C30 C31: library part C0603-10µ-25V-X5R-GRM188R61E106MA73J, "Capacitor, Ceramic, X5R, ±20%, 25V", Manufacturer=Murata, Manufacturer Part Number=GRM188R61E106MA73J, Part number IPS=N.A., Part number NEMS=100200456, Supplier Part Number 1=490-12737-1-ND, Artikkelnr Noca=N.A., Author=rsk, Component Class=Capacitors, Component Status=Active, ComponentLink1Description=Datasheet, ComponentLink1URL=https://search.murata.co.jp/Ceramy/image/img/A01X/G101/ENG/GRM188R61E106MA73-01.pdf, ComponentLink2Description="Supplier link", ComponentLink2URL=https://www.murata.com/en-global/products/productdetail?partno=GRM188R61E106MA73%23, Footprint Doc=0603, HelpURL=N.A., LatestRevisionDate=2021-07-22, Note=25V, Pad Count=2, Part Number=C0603-10µ-25V-X5R-GRM188R61E106MA73J, Part number Norautron=N.A., PartId=100200456, Published=2020-12-16, Supplier 1=Digi-Key, Supplier 2=Mouser, Supplier Part Number 2=81-GRM188R61E106MA3J
C38: library part C0201-1.4p-25V-GJM0335C1E1R4WB01D, "Capacitor, C0G, ±0.05pF, 25V", Manufacturer=Murata, Manufacturer Part Number=GJM0335C1E1R4WB01D, Part number IPS=N.A., Part number NEMS=100200553, Supplier Part Number 1=490-GJM0335C1E1R4WB01DTR-ND, Artikkelnr Noca=N.A., Author=stl1, Component Class=Capacitors, Component Status=Active, ComponentLink1Description=Datasheet, ComponentLink1URL=https://www.murata.com/products/productdetail?partno=GJM0335C1E1R4WB01%23, ComponentLink2Description="Supplier link", ComponentLink2URL=N.A., Footprint Doc=0201, HelpURL=N.A., LatestRevisionDate=2023-05-30, Note=25V, Pad Count=2, Part Number=C0201-1.4p-25V-GJM0335C1E1R4WB01D, Part number Norautron=N.A., PartId=100200553, Published=2023-05-30, Supplier 1=Digi-Key, Supplier 2=Mouser, Supplier Part Number 2=81-GJM0335C1E1R4WB1D
C59: library part C0603-10n-100V-X7R, "Capacitor, X7R, ±10%, 100V", Manufacturer=Murata, Manufacturer Part Number=GCM188R72A103KA37D, Part number IPS=N.A., Part number NEMS=100200349, Supplier Part Number 1=490-4781-1-ND, Artikkelnr Noca=N.A., Author=rsk, Component Class=Capacitors, Component Status=Active, ComponentLink1Description=Datasheet, ComponentLink1URL=N.A., ComponentLink2Description="Supplier link", ComponentLink2URL=N.A., Footprint Doc=0603, HelpURL=http://psearch.en.murata.com/capacitor/product/GCM188R72A103KA37%23.pdf, LatestRevisionDate=2017-08-22, Note=100V, Pad Count=2, Part Number=C0603-10n-100V-X7R, Part number Norautron=N.A., PartId=100200349, Published=2017-08-22, Supplier 1=Digi-Key, Supplier 2=N.A., Supplier Part Number 2=N.A.
C60: library part C0201-3.9p, "Chip Cap 0201", Manufacturer=N.A., Part number NEMS=100200024, Artikkelnr Noca=N.A., Author=rsk, Component Class=Capacitors, Component Status=Active, ComponentLink1Description=Datasheet, ComponentLink1URL=N.A., ComponentLink2Description="Supplier link", ComponentLink2URL=N.A., Footprint Doc=0201, HelpURL=N.A., LatestRevisionDate=2014-11-13, Manufacturer Part Number=N.A., Note="Chip Cap 1%", Pad Count=2, Part Number=C0201-3.9p, Part number IPS=N.A., Part number Norautron=N.A., PartId=100200024, Published=2014-11-13, Supplier 1=N.A., Supplier 2=N.A., Supplier Part Number 1=N.A., Supplier Part Number 2=N.A.
C61: library part C0201-0.3p-50V-GRM0335C1HR30BA01, "Capacitor, C0G, ±0.1pF, 50V", Manufacturer=Murata, Manufacturer Part Number=GRM0335C1HR30BA01, Part number IPS=N.A., Part number NEMS=100200650, Supplier Part Number 1=490-6135-2-ND, Artikkelnr Noca=N.A., Author=masi, Component Class=Capacitors, Component Status=Active, ComponentLink1Description=Datasheet, ComponentLink1URL=https://www.murata.com/en-global/products/productdetail?partno=GRM0335C1HR30BA01%23, ComponentLink2Description="Supplier link", ComponentLink2URL=N.A., Footprint Doc=0201, HelpURL=N.A., LatestRevisionDate=2024-01-10, Note=50V, Pad Count=2, Part Number=C0201-0.3p-50V-GRM0335C1HR30BA01, Part number Norautron=N.A., PartId=100200650, Published=2024-01-10, Supplier 1=Digi-Key, Supplier 2=Mouser, Supplier Part Number 2=81-GRM0335C1HR30BA1D
FB1: library part FB0201-120R@100M-200mA-BLM03AG121SN1D, "Ferrite Bead, 120 Ohm @ 100MHz, 200mA, 500 mOhm Max", Manufacturer=Murata, Manufacturer Part Number=BLM03AG121SN1D, Part number IPS=N.A., Part number NEMS=100300419, Supplier Part Number 1=490-5622-1-ND, Artikkelnr Noca=N.A., Author=stl1, Component Class=Inductors, Component Status=Active, ComponentLink1Description=Datasheet, ComponentLink1URL=https://www.murata.com/en-eu/products/productdetail?partno=BLM03AG121SN1%23, ComponentLink2Description="Supplier link", ComponentLink2URL=N.A., Footprint Doc=0201, HelpURL=N.A., LatestRevisionDate=2022-02-27, Note="Ferrite Bead", Pad Count=2, Part Number=FB0201-120R@100M-200mA-BLM03AG121SN1D, Part number Norautron=N.A., PartId=100300419, Published=2022-02-27, Supplier 1=Digi-Key, Supplier 2=Mouser, Supplier Part Number 2=81-BLM03AX121SN1D
J1: "Coaxial Connector with Switch", Manufacturer=Murata, Part number IPS=00000009955, Part number NEMS=100500400, Part number Norautron=26030338, Supplier Part Number 1=490-4981-1-ND, Artikkelnr Noca=55029011, Author=rsk, Component Class=Connectors, Component Status=Active, ComponentLink1Description=Datasheet, ComponentLink1URL=N.A., ComponentLink2Description="Supplier link", ComponentLink2URL=N.A., Footprint Doc=COAXIAL-SWF, HelpURL=http://www.murata.com/products/catalog/pdf/o33e.pdf, LatestRevisionDate=2014-04-24, Manufacturer Part Number=MM8130-2600, Note=N.A., Pad Count=3, Part Number=MM8130-2600, PartId=100500400, Published=2014-04-24, Supplier 1=Digi-Key, Supplier 2=Mouser, Supplier Part Number 2=81-MM8130-2600RA2, System=Connector
J2: library part CMP-002-00071-3, "Micro SD Card Connector, 9 Positions, Connector and Ejector, Push In, Auto Eject Out, Surface Mount, 1.8 mm Height Above Board, Gold Flash", Case/Package=None, Check_prices=https://www.snapeda.com/parts/MSD-4-A/Same+Sky/view-part/?ref=eda, Component Type=Standard, Design Item ID=MSD-4-A, MF="Same Sky", MP=MSD-4-A, Pins=13, SnapEDA_Link=https://www.snapeda.com/parts/MSD-4-A/Same+Sky/view-part/?ref=snap, Source=MSD-4-A.SchLib
J4: library part SD-80259-1021, "USB-C Receptacle, 16 Pin, USB 2.0", Manufacturer="Bellweather Electronic Corp.", Part number IPS=N.A., Part number NEMS=100500830, Artikkelnr Noca=N.A., Author=getr, Component Class=Connectors, Component Status=Active, ComponentLink1Description=Datasheet, ComponentLink1URL=\\hizz\pro\app9717\Datasheet\connectors\Bellwether\SD-80259-001_C.pdf, ComponentLink2Description="Supplier link", ComponentLink2URL=N.A., Footprint Doc=SD-80259-001, HelpURL=N.A., LatestRevisionDate=2023-10-30, Manufacturer Part Number=SD-80259-1021, Note=N.A., Pad Count=16, Part Number=SD-80259-1021, Part number Norautron=N.A., PartId=100500830, Published=2023-10-30, Supplier 1=Cabcon, Supplier 2=N.A., Supplier Part Number 1=SD-80259-1021, Supplier Part Number 2=N.A., System=Connector
J5: library part CMP-002-00090-1, "Terminal Block, 5MM Pitch, Horizontal, Pressure Clamp, 30-12 AWG, 2 Pins, Gry", Max Operating Temperature=120°C, Min Operating Temperature=-30°C, Mounting Technology="Through Hole", Pins=2
J7: library part CMP-002-00099-1, "Connector Header Surface Mount, Right Angle 3 position 0.059 (1.50mm)", Case/Package=None, Check_prices=https://www.snapeda.com/parts/S3B-ZR-SM4A-TF/JST/view-part/?ref=eda, Component Type=Standard, Design Item ID=S3B-ZR-SM4A-TF, MF="JST Sales", MP=S3B-ZR-SM4A-TF, Pins=3, SnapEDA_Link=https://www.snapeda.com/parts/S3B-ZR-SM4A-TF/JST/view-part/?ref=snap, Source=S3B-ZR-SM4A-TF.SchLib
J8: library part CMP-002-00098-1, "U.FL (UMCC) Connector Receptacle, Male Pin 50Ohm Surface Mount Solder. RF Connectors / Coaxial Connectors", Case/Package=None, Availability="In Stock", Check_prices=https://www.snapeda.com/parts/U.FL-R-SMT(01)/Hirose+Electric+Co+Ltd/view-part/?ref=eda, Component Type=Standard, Design Item ID=U.FL-R-SMT(01), MF=Hirose, MP=U.FL-R-SMT(01), Pins=3, Price=None, Purchase-URL=https://pricing.snapeda.com/search/part/U.FL-R-SMT(01)/?ref=eda, SnapEDA_Link=https://www.snapeda.com/parts/U.FL-R-SMT(01)/Hirose+Electric+Co+Ltd/view-part/?ref=snap, Source=U.FL-R-SMT(01).SchLib
J9: library part CMP-002-00100-2, "Connector Header Surface Mount, Right Angle 2 position 0.059 (1.50mm)", Case/Package=None, Check_prices=https://www.snapeda.com/parts/S2B-ZR-SM4A-TF/JST/view-part/?ref=eda, Component Type=Standard, Design Item ID=S2B-ZR-SM4A-TF, MF="JST Sales", MP=S2B-ZR-SM4A-TF, Pins=2, SnapEDA_Link=https://www.snapeda.com/parts/S2B-ZR-SM4A-TF/JST/view-part/?ref=snap, Source=S2B-ZR-SM4A-TF.SchLib
JP1: library part "SHUNT JUMPER 2.54mm Black Vertical", "Shunt Jumper 2.54mm Black, open top", Manufacturer=Samtec, Manufacturer Part Number=SNT-100-BK-T, Part number IPS=N.A., Part number NEMS=100500728, Artikkelnr Noca=N.A., Author=masi, Component Class=Connectors, Component Status=Active, ComponentLink1Description=Datasheet, ComponentLink1URL=N.A., ComponentLink2Description="Supplier link", ComponentLink2URL=N.A., Footprint Doc="SHUNT JUMPER 2.54mm", HelpURL=N.A., LatestRevisionDate=2022-07-01, Note=N.A., Pad Count=2, Part Number="SHUNT JUMPER 2.54mm Black Vertical", Part number Norautron=N.A., PartId=100500752, Published=2022-07-01, Supplier 1=N.A., Supplier 2=N.A., Supplier Part Number 1=N.A., Supplier Part Number 2=N.A.
L1: library part L0603-4µ7-MLZ1608M4R7WT000, "Inductor, 120mA, ±20%, 0.65R", Manufacturer="TDK Corporation", Manufacturer Part Number=MLZ1608M4R7WT000, Part number IPS=N.A., Part number NEMS=100300440, Supplier Part Number 1=445-6390-2-ND, Artikkelnr Noca=N.A., Author=stl1, Component Class=Inductors, Component Status=Active, ComponentLink1Description=Datasheet, ComponentLink1URL=https://product.tdk.com/en/search/inductor/inductor/smd/info?part_no=MLZ1608M4R7WT000, ComponentLink2Description="Supplier link", ComponentLink2URL=N.A., Footprint Doc=0603, HelpURL=N.A., LatestRevisionDate=2023-05-10, Note="Power Inductor ±20%", Pad Count=2, Part Number=L0603-4µ7-MLZ1608M4R7WT000, Part number Norautron=N.A., PartId=100300440, Published=2023-05-10, Supplier 1=Digi-Key, Supplier 2=Mouser, Supplier Part Number 2=810-MLZ1608M4R7WT000
L2: library part L0201-2n7-HQ-Murata, "Inductor, 600mA, ±0.1ｎH, 120mOhm", Manufacturer=Murata, Manufacturer Part Number=LQP03HQ2N7B02, Part number IPS=00000001753, Part number NEMS=100300214, Part number Norautron=N.A., Supplier Part Number 1=490-13909-1-ND, Artikkelnr Noca=N.A., Author=rsk, Component Class=Inductors, Component Status=Active, ComponentLink1Description=Datasheet, ComponentLink1URL=https://search.murata.co.jp/Ceramy/image/img/P02/JELF243C-0021.pdf, ComponentLink2Description="Supplier link", ComponentLink2URL=N.A., Footprint Doc=0201, HelpURL=https://psearch.en.murata.com/inductor/product/LQP03HQ2N7B02%23.html, LatestRevisionDate=2018-10-23, Note="-55°C ~ 125°C", Pad Count=2, Part Number=L0201-2n7-HQ-Murata, PartId=100300214, Published=2018-10-23, Supplier 1=Digi-Key, Supplier 2=N.A., Supplier Part Number 2=N.A.
L3 L4: library part L0201-3n5-HQ-Murata, "Inductor, 500mA, ±0.1ｎH, 170mOhm", Manufacturer=Murata, Manufacturer Part Number=LQP03HQ3N5B02, Part number IPS=N.A., Part number NEMS=100300222, Supplier Part Number 1=490-13925-1-ND, Artikkelnr Noca=N.A., Author=rsk, Component Class=Inductors, Component Status=Active, ComponentLink1Description=Datasheet, ComponentLink1URL=https://search.murata.co.jp/Ceramy/image/img/P02/JELF243C-0021.pdf, ComponentLink2Description="Supplier link", ComponentLink2URL=N.A., Footprint Doc=0201, HelpURL=https://psearch.en.murata.com/inductor/product/LQP03HQ3N5B02%23.html, LatestRevisionDate=2018-10-23, Note="-55°C ~ 125°C", Pad Count=2, Part Number=L0201-3n5-HQ-Murata, Part number Norautron=N.A., PartId=100300222, Published=2018-10-23, Supplier 1=Digi-Key, Supplier 2=N.A., Supplier Part Number 2=N.A.
L5: library part L0806-2µ2-2500mA-73mOhm-CIGT201610EH2R2MNE, "Inductor, Irms=2.5A, Isat=2.9A, ±20%, DCR=73mΩ", Manufacturer="Samsung Electro-Mechanics America", Manufacturer Part Number=CIGT201610EH2R2MNE, Part number IPS=N.A., Part number NEMS=100300400, Part number Norautron=26521789, Supplier Part Number 1=1276-6901-1-ND, Artikkelnr Noca=N.A., Author=rsk, Component Class=Inductors, Component Status=Active, ComponentLink1Description=Datasheet, ComponentLink1URL=https://media.digikey.com/pdf/Data%20Sheets/Samsung%20PDFs/CIGT201610EH2R2MNE_Spec.pdf, ComponentLink2Description="Supplier link", ComponentLink2URL=https://www.digikey.com/en/products/detail/samsung-electro-mechanics/CIGT201610EH2R2MNE/7041223?s=N4IgTCBcDaIMIEkDiAVMAGAjANk%2BgogBJgBKYAsgHL4gC6AvkA, Footprint Doc=0806, HelpURL=http://product.samsungsem.com/pi/CIGT201610EH2R2MN.do, LatestRevisionDate=2022-09-07, Note="Unshielded Thin Film Inductor", Pad Count=2, Part Number=L0806-2µ2-2500mA-73mOhm-CIGT201610EH2R2MNE, PartId=100300400, Published=2021-02-03, Supplier 1=Digi-Key, Supplier 2=Mouser, Supplier Part Number 2=187-CIGT201610EH2R2M
L6: library part L0806-2µ2-2500mA-73mOhm-CIGT201610EH2R2MNE, "Inductor, Irms=2.5A, Isat=2.9A, ±20%, DCR=73mΩ", Manufacturer="Samsung Electro-Mechanics", Manufacturer Part Number=CIGT201610EH2R2MNE, Part number IPS=N.A., Part number NEMS=100300400, Part number Norautron=26521789, Supplier Part Number 1=1276-6901-1-ND, Artikkelnr Noca=N.A., Author=rsk, Component Class=Inductors, Component Status=Active, ComponentLink1Description=Datasheet, ComponentLink1URL=https://media.digikey.com/pdf/Data%20Sheets/Samsung%20PDFs/CIGT201610EH2R2MNE_Spec.pdf, ComponentLink2Description="Supplier link", ComponentLink2URL=https://www.digikey.com/en/products/detail/samsung-electro-mechanics/CIGT201610EH2R2MNE/7041223?s=N4IgTCBcDaIMIEkDiAVMAGAjANk%2BgogBJgBKYAsgHL4gC6AvkA, Footprint Doc=0806, HelpURL=http://product.samsungsem.com/pi/CIGT201610EH2R2MN.do, LatestRevisionDate=2022-09-07, Note="Unshielded Thin Film Inductor", Pad Count=2, Part Number=L0806-2µ2-2500mA-73mOhm-CIGT201610EH2R2MNE, PartId=100300400, Published=2021-02-03, Supplier 1=Digi-Key, Supplier 2=Mouser, Supplier Part Number 2=187-CIGT201610EH2R2M
LOGO1: library part "Nordic Logo lying", "Nordic logo lying", Manufacturer=N.A., Part number NEMS=101100001, Artikkelnr Noca=N.A., Author=rsk, Component Class=Markings, Component Status=Active, ComponentLink1Description=Datasheet, ComponentLink1URL=N.A., ComponentLink2Description="Supplier link", ComponentLink2URL=N.A., Footprint Doc="Nordic Logo", HelpURL=N.A., LatestRevisionDate=2017-03-20, Manufacturer Part Number=N.A., Note=N.A., Pad Count=0, Part Number="Nordic Logo lying", Part number IPS=N.A., Part number Norautron=N.A., PartId=101100001, Published=2017-09-01, Supplier 1=N.A., Supplier 2=N.A., Supplier Part Number 1=N.A., Supplier Part Number 2=N.A.
MD1: library part CMP-00000-1, "RFM95W LoRA Transceiver Module 868MHz", Case/Package=SMD/SMT, Clock Frequency=868MHz, Current - Receiving=13.8mA, Current - Transmitting=120mA, Max Junction Temperature (Tj)=125°C, Max Operating Temperature=70°C, Max Supply Voltage=3.7V, Min Operating Temperature=-20°C, Min Supply Voltage=1.8V, Nominal Supply Current=5.8mA, Data Rate=300kbps, Frequency=868MHz, Height=1.8mm, Interface=SPI, Mounting Technology="Surface Mount", Number of GPIO=6, RoHS=Compliant, Sensitivity (dBm)=-123dBm
P1: library part "Pin Header 2x5 SMD, 1.27mm, KS", "Pin Header 2x5, 1.27mm (50mil), SMD, Keying Shroud", Manufacturer=WCON, Manufacturer Part Number=3132-10MS0BK00R5, Part number IPS=N.A., Part number NEMS=100500261, Artikkelnr Noca=N.A., Author=rsk, Component Class=Connectors, Component Status=Active, ComponentLink1Description=Datasheet, ComponentLink1URL=N.A., ComponentLink2Description="Supplier link", ComponentLink2URL=N.A., Footprint Doc=HDR_2x5-SMD-1.27mm, HelpURL=\\hizz\pro\app9717\Datasheet\connectors\W-CON\3132-XXMXXBK00XX.pdf, LatestRevisionDate=2024-02-02, Note="(Replaced 3132-10MS0BK00R1)", Pad Count=10, Part Number="Pin Header 2x5 SMD, 1.27mm, KS", Part number Norautron=N.A., PartId=100500261, Published=2016-01-22, Supplier 1=Cabcon, Supplier 2=N.A., Supplier Part Number 1=3132-10MS0BK00R5, Supplier Part Number 2=N.A., System=Connector
P2: library part "Pin List 1x3 SMD", "Pin List 1x3, 2.54mm (100mil), SMD", Manufacturer=W-CON, Manufacturer Part Number=1125-1103S0M116CR02, Part number IPS=N.A., Part number NEMS=100500306, Part number Norautron=26470016, Artikkelnr Noca=N.A., Author=rsk, Component Class=Connectors, Component Status=Active, ComponentLink1Description=Datasheet, ComponentLink1URL=N.A., ComponentLink2Description="Supplier link", ComponentLink2URL=N.A., Footprint Doc=LIST_1x3_SMD, HelpURL=N.A., LatestRevisionDate=2021-09-24, Note=N.A., Pad Count=3, Part Number="Pin List 1x3 SMD", PartId=100500306, Published=2013-10-21, Supplier 1=Cabcon, Supplier 2=Samtec, Supplier Part Number 1=1125-1103S0M116CR02, Supplier Part Number 2=TSM-103-01-L-SV-P-TR, System=Connector
P3: library part CMP-002-00096-1, "Socket 1x6, 2.54mm (100mil), Right Angled, SMD", Manufacturer=W-CON, Manufacturer Part Number=2185-106ZS0CYNRX, Part number IPS=N.A., Part number NEMS=100500782, Artikkelnr Noca=N.A., Author=eisk, Component Class=Connectors, Component Status=Active, ComponentLink1Description=Datasheet, ComponentLink1URL=\\hizz\pro\app9717\Datasheet\connectors\W-CON\2185-1XXZG0CYNXX.pdf, ComponentLink2Description="Supplier link", ComponentLink2URL=N.A., Design Item ID="Socket Ang 1x6 SMD", Footprint Doc=SOCKET_1x6_SMD-ANG, HelpURL=N.A., LatestRevisionDate=2022-02-09, Note=N.A., Pad Count=6, Part Number="Socket Ang 1x6 SMD", Part number Norautron=N.A., PartId=100500782, Published=2022-01-25, Source=pca10152.SCHLIB, System=Connector
R3 R16 R17 R18: library part R0201-1k0, "Resistor, ±1%, 0.05W", Manufacturer=N.A., Part number IPS=00000005786, Part number NEMS=100100043, Artikkelnr Noca=N.A., Author=rsk, Component Class=Resistors, Component Status=Active, ComponentLink1Description=Datasheet, ComponentLink1URL=N.A., ComponentLink2Description="Supplier link", ComponentLink2URL=N.A., HelpURL=N.A., LatestRevisionDate=2014-11-13, Manufacturer Part Number=N.A., Note="Chip Res 1%", Pad Count=2, Part Number=R0201-1k0, Part number Norautron=N.A., PartId=100100043, Published=2014-11-13, Supplier 1=N.A., Supplier 2=N.A., Supplier Part Number 1=N.A., Supplier Part Number 2=N.A.
  R3: Footprint Doc=0201
R4 R5 R6 R7 R12: library part R0201-10k, "Resistor, ±1%, 0.05W", Manufacturer=N.A., Part number IPS=00000001255, Part number NEMS=100100065, Part number Norautron=26107101, Artikkelnr Noca=N.A., Author=rsk, Component Class=Resistors, Component Status=Active, ComponentLink1Description=Datasheet, ComponentLink1URL=N.A., ComponentLink2Description="Supplier link", ComponentLink2URL=N.A., Footprint Doc=0201, HelpURL=N.A., LatestRevisionDate=2014-11-13, Manufacturer Part Number=N.A., Note="Chip Res 1%", Pad Count=2, Part Number=R0201-10k, PartId=100100065, Published=2014-11-13, Supplier 1=N.A., Supplier 2=N.A., Supplier Part Number 1=N.A., Supplier Part Number 2=N.A.
R10: library part R0201-150k, "Resistor, ±1%, 0.05W", Manufacturer=N.A., Part number IPS=00000001422, Part number NEMS=100100082, Artikkelnr Noca=N.A., Author=rsk, Component Class=Resistors, Component Status=Active, ComponentLink1Description=Datasheet, ComponentLink1URL=N.A., ComponentLink2Description="Supplier link", ComponentLink2URL=N.A., Footprint Doc=0201, HelpURL=N.A., LatestRevisionDate=2014-11-13, Manufacturer Part Number=N.A., Note="Chip Res 1%", Pad Count=2, Part Number=R0201-150k, Part number Norautron=N.A., PartId=100100082, Published=2014-11-13, Supplier 1=N.A., Supplier 2=N.A., Supplier Part Number 1=N.A., Supplier Part Number 2=N.A.
R11 R13: library part R0402-N.C., "Not mounted", Manufacturer=N.A., Part number NEMS=100100281, Artikkelnr Noca=N.A., Assembly="Not mounted", Author=rsk, Component Class=Resistors, Component Status=Active, ComponentLink1Description=Datasheet, ComponentLink1URL=N.A., ComponentLink2Description="Supplier link", ComponentLink2URL=N.A., Footprint Doc=0402, HelpURL=N.A., LatestRevisionDate=2009-05-08, Manufacturer Part Number=N.A., Note="Chip Res", Pad Count=2, Part Number=R0402-N.C., Part number IPS=N.A., Part number Norautron=N.A., PartId=100100281, Published=2009-05-08, Supplier 1=N.A., Supplier 2=N.A., Supplier Part Number 1=N.A., Supplier Part Number 2=N.A.
SW1 SW2: library part CMP-011-00014-1, "Switch Tactile OFF Mom SPST Round Button Gull Wing 50mA 12VDC 100000Cycles 1.77N Surface Mount T/R", Max Current Rating=50mA, Max Operating Temperature=70°C, Min Operating Temperature=-40°C, Mounting Technology="Surface Mount", Throw Configuration=SPST
U1: library part nRF54L15-QFAAC00, "Multi-protocol Bluetooth Low Energy, IEEE 802.15.4 and 2.4GHz proprietary Wireless MCU", Manufacturer="Nordic Semiconductor", Part number IPS=N.A., Part number NEMS=102000382, Artikkelnr Noca=N.A., Author=stl1, Component Class=Nordic_Devices, Component Status=Active, ComponentLink1Description=Datasheet, ComponentLink1URL=N.A., ComponentLink2Description="Supplier link", ComponentLink2URL=N.A., Footprint Doc=QFN-48, HelpURL=N.A., LatestRevisionDate=2025-01-30, Manufacturer Part Number=nRF54L15-QFAAC00, Note=N.A., Pad Count=49, Part Number=nRF54L15-QFAAC00, Part number Norautron=N.A., PartId=102000382, Published=2025-01-30, Supplier 1="Nordic Semiconductor", Supplier 2=N.A., Supplier Part Number 1=nRF54L15-QFAAC00, Supplier Part Number 2=N.A.
U2: "Li-Ion/Li-Polymer USB-C battery charger with high efficiency buck regulators, LDOs or load switches, LED drivers, TWI and VBUSOUT", Manufacturer="Nordic Semiconductor", Part number IPS=N.A., Part number NEMS=102000291, Artikkelnr Noca=N.A., Author=eisk, Component Class=Nordic_Devices, Component Status=Active, ComponentLink1Description=Datasheet, ComponentLink1URL=N.A., ComponentLink2Description="Supplier link", ComponentLink2URL=N.A., Footprint Doc=QFN-32, HelpURL=N.A., LatestRevisionDate=2023-05-25, Manufacturer Part Number=nPM1300-QEAA, Note=N.A., Pad Count=33, Part Number=nPM1300-QEAA, Part number Norautron=N.A., PartId=102000291, Published=2022-02-17, Supplier 1="Nordic Semiconductor", Supplier 2=N.A., Supplier Part Number 1=nPM1300-QEAA, Supplier Part Number 2=N.A.
X1: library part XTAL_SMD2012_32.768kHz_9pF_TXC, "XTAL SMD 2012, 32.768kHz, 9pF, ±20ppm", Manufacturer="TXC Corporation", Manufacturer Part Number=9HT11-32.768KDZC-T, Part number IPS=N.A., Part number NEMS=101600107, Supplier Part Number 1=887-1426-2-ND, Artikkelnr Noca=N.A., Author=eisk, Component Class=Oscillators, Component Status=Active, ComponentLink1Description=Datasheet, ComponentLink1URL=http://www.txccrystal.com/images/pdf/9ht11.pdf, ComponentLink2Description="Supplier link", ComponentLink2URL=https://www.digikey.com/en/products/detail/9HT11-32.768KDZC-T/887-1426-1-ND/2403277, Footprint Doc=XTAL_2012, HelpURL=http://www.txccrystal.com/images/pdf/9ht11.pdf, LatestRevisionDate=2023-03-14, Note="XTAL SMD 32.768kHz", Pad Count=2, Part Number=XTAL_SMD2012_32.768kHz_9pF_TXC, Part number Norautron=N.A., PartId=101600107, Published=2014-03-28, Supplier 1=Digi-Key, Supplier 2=Mouser, Supplier Part Number 2=717-9HT11-32.7KDZC-T
X2: library part XTAL_SMD2016_32MHz_8pF_Kyocera, "XTAL SMD 2016, 32MHz, Cl=8pF, Tot: ±40ppm", Manufacturer=Kyocera, Manufacturer Part Number=CX2016DB32000D0WZRC1, Part number IPS=00000007827, Part number NEMS=101600039, Part number Norautron=26511136, Supplier Part Number 1=1253-1586-1-ND, Artikkelnr Noca=22010022, Author=rsk, Component Class=Oscillators, Component Status=Active, ComponentLink1Description=Datasheet, ComponentLink1URL=N.A., ComponentLink2Description="Supplier link", ComponentLink2URL=N.A., Footprint Doc=XTAL_2016, HelpURL=http://media.digikey.com/pdf/Data%20Sheets/AVX%20PDFs/CX2016DB32000D0WZRC1_Spec.pdf, LatestRevisionDate=2016-06-02, Note="XTAL SMD 32.000MHz", Pad Count=4, Part Number=XTAL_SMD2016_32MHz_8pF_Kyocera, PartId=101600039, Published=2015-10-15, Supplier 1=Digi-Key, Supplier 2=N.A., Supplier Part Number 2=N.A.

## Via types
v1: diameter 0.5, hole 0.3, Top Layer to Bottom Layer, tented both sides, 433 vias
v2: diameter 0.6, hole 0.3, Top Layer to Bottom Layer, tented both sides, 1 vias

## Nets (pads, with @x,y where several pads share a name; then routed paths per layer and width w, separated by ;. In a path a pad name is that pad's centre, name@x,y a point inside that pad or via, vN(x,y) a via of type N, cw(c..) or ccw(c..) an arc to the next point about the centre after c; other vN are vias at no path point)
ANT: C38.2 J1.3 | length 22.7
  Top Layer w1.27: 48.169,70.603 48.169,66.535 49.728,64.976 66.151,64.976
DCC: L1.1 U1.46 | length 3.2
  Top Layer w0.2: U1.46@51,83.675 51.476,83.675 51.689,83.888 52.161,83.888 52.331,84.057 53.022,84.057 53.75,84.785 L1.1@53.775,84.785
DECA: C2.2 C5.2 C12.2 FB1.2 U1.33 U1.43 | length 12
  Top Layer w0.2: U1.33@48.975,79.25 48.975,78.83 49.173,78.632 49.173,78.378 49.208,78.343 C5.2@49.223,78.343 49.258,78.308 49.496,78.308 49.768,78.037 49.768,77.807 v1(49.825,77.75) ; U1.43@51,82.475 51.88,82.475 52.04,82.315 C12.2@52.04,82.285 ; C12.2@52.04,82.3 C12.2@52.04,82.285 ; v1(52.566,81.679) 52.566,81.705 52.225,82.046 52.225,82.115 52.09,82.25 52.075,82.25 C12.2@52.04,82.285 ; v1@52.572,81.684 52.597,81.71 53.687,81.71 C2.2@53.701,81.724 FB1.2@53.701,82.256
  Bottom Layer w0.2: v1(49.825,77.75) 52.025,77.75 52.6,78.325 52.6,81.645 v1(52.566,81.679)
DECD: C1.2 FB1.1 L1.2 U1.45 | length 4.2
  Top Layer w0.2: U1.45@51,83.275 51.7,83.275 C1.2@51.86,83.435 ; C1.2@51.875,83.435 51.908,83.467 53.742,83.467 L1.2@53.775,83.435 ; L1.2@53.8,83.435 54.075,83.16 54.075,82.784 54.236,82.622 54.236,82.291 FB1.1@54.271,82.256
DIO0_LoRa: MD1.14 U1.40 | length 19
  Top Layer w0.125: U1.40@51,81.275 51.45,81.275 52.279,80.446 54.228,80.446 54.975,81.193 54.975,86.811 56.413,88.249 56.413,92.187 55.764,92.836 53.964,92.836 MD1.14@53.9,92.9